# Altium PCB 键盘.PcbDoc (part 4 of 10) (continued)
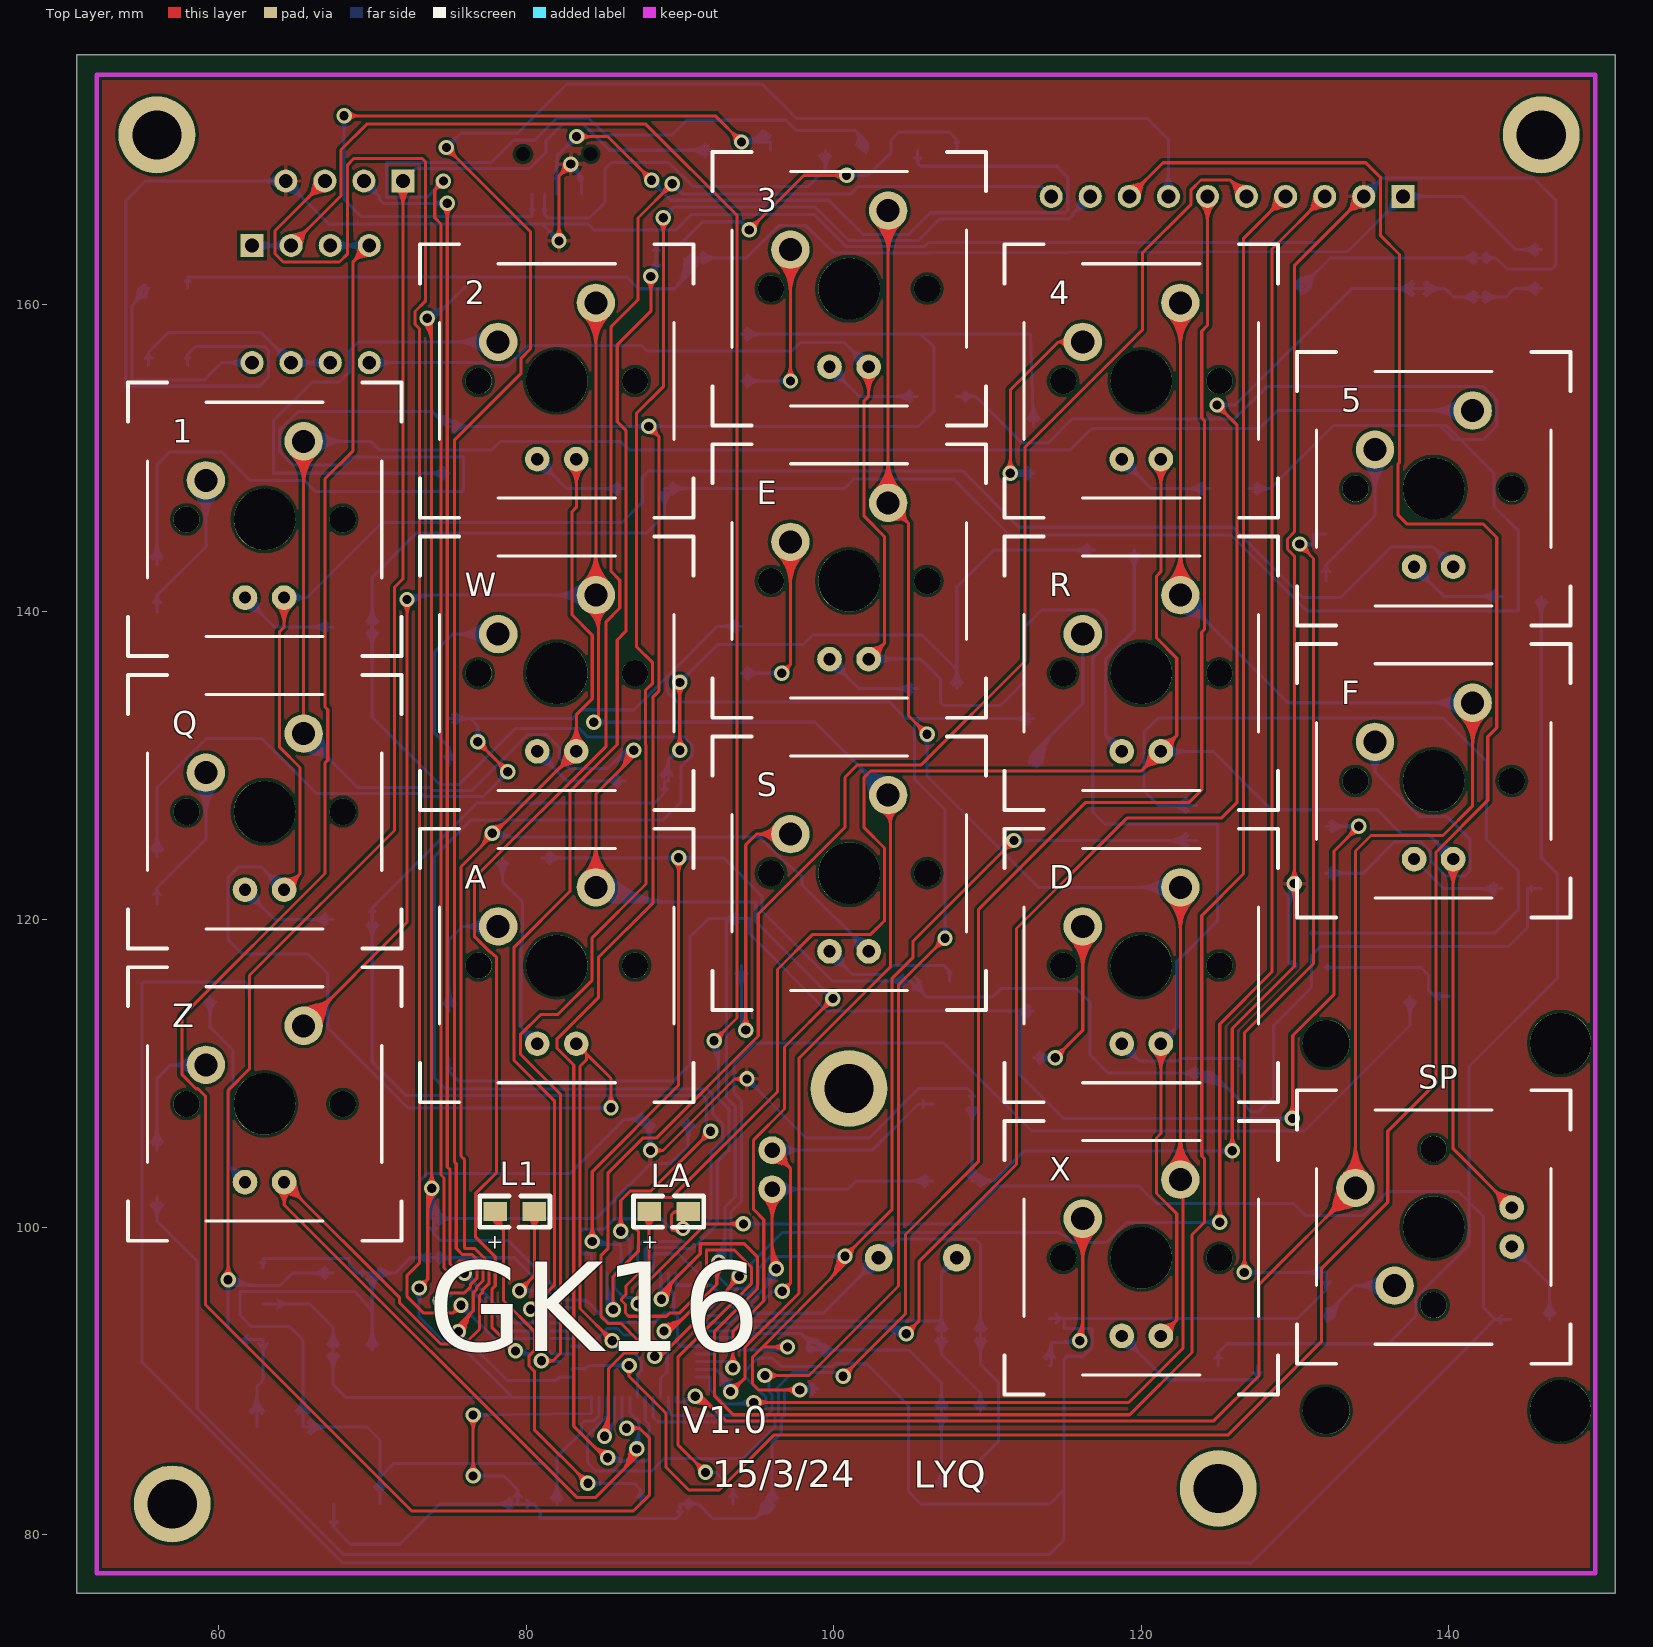
[diagram p0: Top Layer view]
## Nets (pads, with @x,y where several pads share a name; then routed paths per layer and width w, separated by ;. In a path a pad name is that pad's centre, name@x,y a point inside that pad or via, vN(x,y) a via of type N, cw(c..) or ccw(c..) an arc to the next point about the centre after c; other vN are vias at no path point) (continued)
NetR6_2: R6.2 W.A | length 43.9
  Bottom Layer w0.2: W.A@80.73,130.92 82.65,129 R6.2@86.46,129 ; W.A@80.436,130.86 ccw(c81.397,131.057) 81.143,130.109 ; W.A@80.436,130.86 ccw(c81.397,131.057) 81.143,130.109 ; W.A@80.436,130.86 ccw(c81.397,131.057) 81.143,130.109 ; W.A@80.632,130.9 ccw(c81.751,131.129) 81.456,130.026 ; W.A@80.632,130.9 ccw(c81.751,131.129) 81.456,130.026 ; W.A@80.632,130.9 ccw(c81.751,131.129) 81.456,130.026 ; W.A@80.73,130.22 cw(c80.73,128.53) 81.925,129.725 ; W.A@80.73,130.22 cw(c80.73,128.53) 81.925,129.725 ; W.A@80.73,130.22 cw(c80.73,128.53) 81.925,129.725 ; W.A@80.73,130.42 cw(c80.73,129.213) 81.584,130.066 ; W.A@80.73,130.42 cw(c80.73,129.213) 81.584,130.066 ; W.A@80.73,130.42 cw(c80.73,129.213) 81.584,130.066 ; W.A@80.75,131.018 cw(c80.521,129.899) 81.624,130.194 ; W.A@80.75,131.018 cw(c80.521,129.899) 81.624,130.194 ; W.A@80.75,131.018 cw(c80.521,129.899) 81.624,130.194 ; W.A@80.79,131.214 cw(c80.593,130.253) 81.541,130.507 ; W.A@80.79,131.214 cw(c80.593,130.253) 81.541,130.507 ; W.A@80.79,131.214 cw(c80.593,130.253) 81.541,130.507 ; W.A@81.23,130.92 ccw(c82.437,130.92) 81.584,130.066 ; W.A@81.23,130.92 ccw(c82.437,130.92) 81.584,130.066 ; W.A@81.23,130.92 ccw(c82.437,130.92) 81.584,130.066 ; W.A@81.43,130.92 ccw(c83.12,130.92) 81.925,129.725 ; W.A@81.43,130.92 ccw(c83.12,130.92) 81.925,129.725 ; W.A@81.43,130.92 ccw(c83.12,130.92) 81.925,129.725 ; 85.056,129 cw(c85.056,127.733) R6.2@85.952,128.629 ; 85.056,129 ccw(c85.056,130.267) R6.2@85.952,129.371 ; 85.056,129 cw(c85.056,127.733) R6.2@85.952,128.629 ; 85.056,129 ccw(c85.056,130.267) R6.2@85.952,129.371 ; 85.056,129 cw(c85.056,127.733) R6.2@85.952,128.629 ; 85.056,129 ccw(c85.056,130.267) R6.2@85.952,129.371 ; 85.538,129 cw(c85.538,128.215) R6.2@86.093,128.77 ; 85.538,129 ccw(c85.538,129.785) R6.2@86.093,129.23 ; 85.538,129 cw(c85.538,128.215) R6.2@86.093,128.77 ; 85.538,129 ccw(c85.538,129.785) R6.2@86.093,129.23 ; 85.538,129 cw(c85.538,128.215) R6.2@86.093,128.77 ; 85.538,129 ccw(c85.538,129.785) R6.2@86.093,129.23
NetR8_2: R8.2 R.A | length 42
  Bottom Layer w0.2: R.A@118.73,130.92 117.678,131.972 ; R8.2@119.54,144 119.54,138.793 117.678,136.931 117.678,131.972 ; 117.678,131.972 cw(c116.808,131.102) R.A@118.033,130.986 ; 117.678,131.972 ccw(c118.548,132.842) R.A@118.664,131.617 ; 117.678,131.972 cw(c116.808,131.102) R.A@118.033,130.986 ; 117.678,131.972 ccw(c118.548,132.842) R.A@118.664,131.617 ; 117.678,131.972 cw(c116.808,131.102) R.A@118.033,130.986 ; 117.678,131.972 ccw(c118.548,132.842) R.A@118.664,131.617 ; 117.938,131.551 ccw(c119.165,131.759) R.A@118.592,130.654 ; 117.938,131.551 ccw(c119.165,131.759) R.A@118.592,130.654 ; 117.938,131.551 ccw(c119.165,131.759) R.A@118.592,130.654 ; 117.979,131.671 cw(c117.357,131.05) R.A@118.232,130.967 ; 117.979,131.671 ccw(c118.6,132.293) R.A@118.683,131.418 ; 117.979,131.671 cw(c117.357,131.05) R.A@118.232,130.967 ; 117.979,131.671 ccw(c118.6,132.293) R.A@118.683,131.418 ; 117.979,131.671 cw(c117.357,131.05) R.A@118.232,130.967 ; 117.979,131.671 ccw(c118.6,132.293) R.A@118.683,131.418 ; 118.099,131.712 cw(c117.891,130.485) R.A@118.996,131.058 ; 118.099,131.712 cw(c117.891,130.485) R.A@118.996,131.058 ; 118.099,131.712 cw(c117.891,130.485) R.A@118.996,131.058 ; R8.2@119.169,143.629 cw(c118.273,142.733) 119.54,142.733 ; R8.2@119.169,143.629 cw(c118.273,142.733) 119.54,142.733 ; R8.2@119.169,143.629 cw(c118.273,142.733) 119.54,142.733 ; R8.2@119.31,143.77 cw(c118.755,143.215) 119.54,143.215 ; R8.2@119.31,143.77 cw(c118.755,143.215) 119.54,143.215 ; R8.2@119.31,143.77 cw(c118.755,143.215) 119.54,143.215 ; 119.54,142.733 cw(c120.807,142.733) R8.2@119.911,143.629 ; 119.54,142.733 cw(c120.807,142.733) R8.2@119.911,143.629 ; 119.54,142.733 cw(c120.807,142.733) R8.2@119.911,143.629 ; 119.54,143.215 cw(c120.325,143.215) R8.2@119.77,143.77 ; 119.54,143.215 cw(c120.325,143.215) R8.2@119.77,143.77 ; 119.54,143.215 cw(c120.325,143.215) R8.2@119.77,143.77
NetR10_2: R10.2 S.A | length 38.2
  Bottom Layer w0.2: S.A@99.73,117.92 101.23,116.42 103.237,116.42 103.809,116.991 107.185,116.991 107.54,116.637 ; R10.2@107.54,116 107.54,116.637 ; S.A@99.436,117.86 ccw(c100.397,118.057) 100.143,117.109 ; S.A@99.436,117.86 ccw(c100.397,118.057) 100.143,117.109 ; S.A@99.436,117.86 ccw(c100.397,118.057) 100.143,117.109 ; S.A@99.632,117.9 ccw(c100.751,118.129) 100.456,117.026 ; S.A@99.632,117.9 ccw(c100.751,118.129) 100.456,117.026 ; S.A@99.632,117.9 ccw(c100.751,118.129) 100.456,117.026 ; S.A@99.73,117.22 cw(c99.73,115.53) 100.925,116.725 ; S.A@99.73,117.22 cw(c99.73,115.53) 100.925,116.725 ; S.A@99.73,117.22 cw(c99.73,115.53) 100.925,116.725 ; S.A@99.73,117.42 cw(c99.73,116.213) 100.584,117.066 ; S.A@99.73,117.42 cw(c99.73,116.213) 100.584,117.066 ; S.A@99.73,117.42 cw(c99.73,116.213) 100.584,117.066 ; S.A@99.75,118.018 cw(c99.521,116.899) 100.624,117.194 ; S.A@99.75,118.018 cw(c99.521,116.899) 100.624,117.194 ; S.A@99.75,118.018 cw(c99.521,116.899) 100.624,117.194 ; S.A@99.79,118.214 cw(c99.593,117.253) 100.541,117.507 ; S.A@99.79,118.214 cw(c99.593,117.253) 100.541,117.507 ; S.A@99.79,118.214 cw(c99.593,117.253) 100.541,117.507 ; S.A@100.23,117.92 ccw(c101.437,117.92) 100.584,117.066 ; S.A@100.23,117.92 ccw(c101.437,117.92) 100.584,117.066 ; S.A@100.23,117.92 ccw(c101.437,117.92) 100.584,117.066 ; S.A@100.43,117.92 ccw(c102.12,117.92) 100.925,116.725 ; S.A@100.43,117.92 ccw(c102.12,117.92) 100.925,116.725 ; S.A@100.43,117.92 ccw(c102.12,117.92) 100.925,116.725 ; R10.2@107.44,116.515 ccw(c107.416,116.637) 107.54,116.637 ; R10.2@107.44,116.515 ccw(c107.416,116.637) 107.54,116.637 ; R10.2@107.44,116.515 ccw(c107.416,116.637) 107.54,116.637 ; 107.54,116.637 ccw(c107.664,116.637) R10.2@107.64,116.515 ; 107.54,116.637 ccw(c107.664,116.637) R10.2@107.64,116.515 ; 107.54,116.637 ccw(c107.664,116.637) R10.2@107.64,116.515
NetR14_2: R14.2 Z.A | length 40.9
  Bottom Layer w0.2: R14.2@59.46,115 59.46,112.979 60.96,111.479 60.96,109.295 60.681,109.015 60.681,103.969 ; Z.A@61.73,102.92 60.681,103.969 ; R14.2@59.089,114.629 cw(c58.193,113.733) 59.46,113.733 ; R14.2@59.089,114.629 cw(c58.193,113.733) 59.46,113.733 ; R14.2@59.089,114.629 cw(c58.193,113.733) 59.46,113.733 ; R14.2@59.23,114.77 cw(c58.675,114.215) 59.46,114.215 ; R14.2@59.23,114.77 cw(c58.675,114.215) 59.46,114.215 ; R14.2@59.23,114.77 cw(c58.675,114.215) 59.46,114.215 ; 59.46,113.733 cw(c60.727,113.733) R14.2@59.831,114.629 ; 59.46,113.733 cw(c60.727,113.733) R14.2@59.831,114.629 ; 59.46,113.733 cw(c60.727,113.733) R14.2@59.831,114.629 ; 59.46,114.215 cw(c60.245,114.215) R14.2@59.69,114.77 ; 59.46,114.215 cw(c60.245,114.215) R14.2@59.69,114.77 ; 59.46,114.215 cw(c60.245,114.215) R14.2@59.69,114.77 ; 60.681,103.969 cw(c59.816,103.104) Z.A@61.033,102.987 ; 60.681,103.969 ccw(c61.546,104.834) Z.A@61.663,103.617 ; 60.681,103.969 cw(c59.816,103.104) Z.A@61.033,102.987 ; 60.681,103.969 ccw(c61.546,104.834) Z.A@61.663,103.617 ; 60.681,103.969 cw(c59.816,103.104) Z.A@61.033,102.987 ; 60.681,103.969 ccw(c61.546,104.834) Z.A@61.663,103.617 ; 60.938,103.558 ccw(c62.176,103.765) Z.A@61.59,102.655 ; 60.938,103.558 ccw(c62.176,103.765) Z.A@61.59,102.655 ; 60.938,103.558 ccw(c62.176,103.765) Z.A@61.59,102.655 ; 60.98,103.67 cw(c60.363,103.052) Z.A@61.232,102.968 ; 60.98,103.67 ccw(c61.598,104.287) Z.A@61.682,103.418 ; 60.98,103.67 cw(c60.363,103.052) Z.A@61.232,102.968 ; 60.98,103.67 ccw(c61.598,104.287) Z.A@61.682,103.418 ; 60.98,103.67 cw(c60.363,103.052) Z.A@61.232,102.968 ; 60.98,103.67 ccw(c61.598,104.287) Z.A@61.682,103.418 ; 61.092,103.712 cw(c60.885,102.474) Z.A@61.995,103.06 ; 61.092,103.712 cw(c60.885,102.474) Z.A@61.995,103.06 ; 61.092,103.712 cw(c60.885,102.474) Z.A@61.995,103.06
NetR15_2: R15.2 X.A | length 42.2
  Bottom Layer w0.2: X.A@118.73,92.92 121.582,90.068 127.54,90.068 ; R15.2@127.54,91 127.54,90.068 ; X.A@118.436,92.86 ccw(c119.397,93.057) 119.143,92.109 ; X.A@118.436,92.86 ccw(c119.397,93.057) 119.143,92.109 ; X.A@118.436,92.86 ccw(c119.397,93.057) 119.143,92.109 ; X.A@118.632,92.9 ccw(c119.751,93.129) 119.456,92.026 ; X.A@118.632,92.9 ccw(c119.751,93.129) 119.456,92.026 ; X.A@118.632,92.9 ccw(c119.751,93.129) 119.456,92.026 ; X.A@118.73,92.22 cw(c118.73,90.53) 119.925,91.725 ; X.A@118.73,92.22 cw(c118.73,90.53) 119.925,91.725 ; X.A@118.73,92.22 cw(c118.73,90.53) 119.925,91.725 ; X.A@118.73,92.42 cw(c118.73,91.213) 119.584,92.066 ; X.A@118.73,92.42 cw(c118.73,91.213) 119.584,92.066 ; X.A@118.73,92.42 cw(c118.73,91.213) 119.584,92.066 ; X.A@118.75,93.018 cw(c118.521,91.899) 119.624,92.194 ; X.A@118.75,93.018 cw(c118.521,91.899) 119.624,92.194 ; X.A@118.75,93.018 cw(c118.521,91.899) 119.624,92.194 ; X.A@118.79,93.214 cw(c118.593,92.253) 119.541,92.507 ; X.A@118.79,93.214 cw(c118.593,92.253) 119.541,92.507 ; X.A@118.79,93.214 cw(c118.593,92.253) 119.541,92.507 ; X.A@119.23,92.92 ccw(c120.437,92.92) 119.584,92.066 ; X.A@119.23,92.92 ccw(c120.437,92.92) 119.584,92.066 ; X.A@119.23,92.92 ccw(c120.437,92.92) 119.584,92.066 ; X.A@119.43,92.92 ccw(c121.12,92.92) 119.925,91.725 ; X.A@119.43,92.92 ccw(c121.12,92.92) 119.925,91.725 ; X.A@119.43,92.92 ccw(c121.12,92.92) 119.925,91.725 ; R15.2@127.268,90.551 cw(c126.976,90.068) 127.54,90.068 ; R15.2@127.268,90.551 cw(c126.976,90.068) 127.54,90.068 ; R15.2@127.268,90.551 cw(c126.976,90.068) 127.54,90.068 ; 127.54,90.068 cw(c128.104,90.068) R15.2@127.812,90.551 ; 127.54,90.068 cw(c128.104,90.068) R15.2@127.812,90.551 ; 127.54,90.068 cw(c128.104,90.068) R15.2@127.812,90.551
NetR16_2: R16.2 SP.A | length 43.2
  Bottom Layer w0.2: SP.A@144.08,98.73 146.54,96.27 R16.2@146.54,94 ; SP.A@143.786,98.67 ccw(c144.747,98.867) 144.493,97.919 ; SP.A@143.786,98.67 ccw(c144.747,98.867) 144.493,97.919 ; SP.A@143.786,98.67 ccw(c144.747,98.867) 144.493,97.919 ; SP.A@143.982,98.71 ccw(c145.101,98.939) 144.806,97.836 ; SP.A@143.982,98.71 ccw(c145.101,98.939) 144.806,97.836 ; SP.A@143.982,98.71 ccw(c145.101,98.939) 144.806,97.836 ; SP.A@144.08,98.03 cw(c144.08,96.34) 145.275,97.535 ; SP.A@144.08,98.03 cw(c144.08,96.34) 145.275,97.535 ; SP.A@144.08,98.03 cw(c144.08,96.34) 145.275,97.535 ; SP.A@144.08,98.23 cw(c144.08,97.023) 144.934,97.876 ; SP.A@144.08,98.23 cw(c144.08,97.023) 144.934,97.876 ; SP.A@144.08,98.23 cw(c144.08,97.023) 144.934,97.876 ; SP.A@144.1,98.828 cw(c143.871,97.709) 144.974,98.004 ; SP.A@144.1,98.828 cw(c143.871,97.709) 144.974,98.004 ; SP.A@144.1,98.828 cw(c143.871,97.709) 144.974,98.004 ; SP.A@144.14,99.024 cw(c143.943,98.063) 144.891,98.317 ; SP.A@144.14,99.024 cw(c143.943,98.063) 144.891,98.317 ; SP.A@144.14,99.024 cw(c143.943,98.063) 144.891,98.317 ; SP.A@144.58,98.73 ccw(c145.787,98.73) 144.934,97.876 ; SP.A@144.58,98.73 ccw(c145.787,98.73) 144.934,97.876 ; SP.A@144.58,98.73 ccw(c145.787,98.73) 144.934,97.876 ; SP.A@144.78,98.73 ccw(c146.47,98.73) 145.275,97.535 ; SP.A@144.78,98.73 ccw(c146.47,98.73) 145.275,97.535 ; SP.A@144.78,98.73 ccw(c146.47,98.73) 145.275,97.535 ; R16.2@146.169,94.371 ccw(c145.273,95.267) 146.54,95.267 ; R16.2@146.169,94.371 ccw(c145.273,95.267) 146.54,95.267 ; R16.2@146.169,94.371 ccw(c145.273,95.267) 146.54,95.267 ; R16.2@146.31,94.23 ccw(c145.755,94.785) 146.54,94.785 ; R16.2@146.31,94.23 ccw(c145.755,94.785) 146.54,94.785 ; R16.2@146.31,94.23 ccw(c145.755,94.785) 146.54,94.785 ; 146.54,94.785 ccw(c147.325,94.785) R16.2@146.77,94.23 ; 146.54,94.785 ccw(c147.325,94.785) R16.2@146.77,94.23 ; 146.54,94.785 ccw(c147.325,94.785) R16.2@146.77,94.23 ; 146.54,95.267 ccw(c147.807,95.267) R16.2@146.911,94.371 ; 146.54,95.267 ccw(c147.807,95.267) R16.2@146.911,94.371 ; 146.54,95.267 ccw(c147.807,95.267) R16.2@146.911,94.371
NetR21_2: R21.2 S2.8 | length 43.6
  Bottom Layer w0.2: R21.2@55.46,161 55.46,160.96 54.381,159.881 ; S2.8@62.19,156.19 60.203,156.19 59.08,155.067 54.381,155.067 54.381,159.881 ; 54.381,159.881 ccw(c53.369,160.894) R21.2@54.799,160.972 ; 54.381,159.881 ccw(c53.369,160.894) R21.2@54.799,160.972 ; 54.381,159.881 ccw(c53.369,160.894) R21.2@54.799,160.972 ; 54.652,160.274 cw(c55.753,160.042) R21.2@55.292,161.068 ; 54.652,160.274 cw(c55.753,160.042) R21.2@55.292,161.068 ; 54.652,160.274 cw(c55.753,160.042) R21.2@55.292,161.068 ; 54.698,160.198 ccw(c53.97,160.926) R21.2@54.998,160.982 ; 54.698,160.198 ccw(c53.97,160.926) R21.2@54.998,160.982 ; 54.698,160.198 ccw(c53.97,160.926) R21.2@54.998,160.982 ; 54.729,160.229 cw(c55.323,159.635) R21.2@55.323,160.475 ; 54.729,160.229 cw(c55.323,159.635) R21.2@55.323,160.475 ; 54.729,160.229 cw(c55.323,159.635) R21.2@55.323,160.475 ; R21.2@54.733,160.658 cw(c55.554,160.485) R21.2@55.21,161.251 ; R21.2@54.733,160.658 cw(c55.554,160.485) R21.2@55.21,161.251 ; R21.2@54.733,160.658 cw(c55.554,160.485) R21.2@55.21,161.251 ; 54.868,160.353 ccw(c54.683,161.046) R21.2@55.398,160.995 ; 54.868,160.353 ccw(c54.683,161.046) R21.2@55.398,160.995 ; 54.868,160.353 ccw(c54.683,161.046) R21.2@55.398,160.995 ; 60.621,156.19 cw(c60.621,154.621) S2.8@61.73,155.73 ; 60.621,156.19 ccw(c60.621,157.759) S2.8@61.73,156.65 ; 60.621,156.19 cw(c60.621,154.621) S2.8@61.73,155.73 ; 60.621,156.19 ccw(c60.621,157.759) S2.8@61.73,156.65 ; 60.621,156.19 cw(c60.621,154.621) S2.8@61.73,155.73 ; 60.621,156.19 ccw(c60.621,157.759) S2.8@61.73,156.65 ; 61.104,156.19 cw(c61.104,155.104) S2.8@61.872,155.872 ; 61.104,156.19 ccw(c61.104,157.276) S2.8@61.872,156.508 ; 61.104,156.19 cw(c61.104,155.104) S2.8@61.872,155.872 ; 61.104,156.19 ccw(c61.104,157.276) S2.8@61.872,156.508 ; 61.104,156.19 cw(c61.104,155.104) S2.8@61.872,155.872 ; 61.104,156.19 ccw(c61.104,157.276) S2.8@61.872,156.508
NetR22_2: R22.2 S2.6 S2.7 | length 67
  Bottom Layer w0.2: R22.2@55.46,156 55.46,156.87 ; S2.6@67.27,156.19 S2.7@64.73,156.19 62.78,158.14 56.73,158.14 55.46,156.87 ; R22.2@55.215,156.464 ccw(c55.001,156.87) 55.46,156.87 ; R22.2@55.215,156.464 ccw(c55.001,156.87) 55.46,156.87 ; R22.2@55.215,156.464 ccw(c55.001,156.87) 55.46,156.87 ; 55.46,156.87 ccw(c55.919,156.87) R22.2@55.705,156.464 ; 55.46,156.87 ccw(c55.919,156.87) R22.2@55.705,156.464 ; 55.46,156.87 ccw(c55.919,156.87) R22.2@55.705,156.464 ; 63.62,157.3 cw(c62.511,156.19) S2.7@64.08,156.19 ; 63.62,157.3 ccw(c64.73,158.409) S2.7@64.73,156.84 ; 63.62,157.3 cw(c62.511,156.19) S2.7@64.08,156.19 ; 63.62,157.3 ccw(c64.73,158.409) S2.7@64.73,156.84 ; 63.62,157.3 cw(c62.511,156.19) S2.7@64.08,156.19 ; 63.62,157.3 ccw(c64.73,158.409) S2.7@64.73,156.84 ; 63.923,156.774 ccw(c64.903,157.037) S2.7@64.7,156.043 ; 63.923,156.774 ccw(c64.903,157.037) S2.7@64.7,156.043 ; 63.923,156.774 ccw(c64.903,157.037) S2.7@64.7,156.043 ; 63.962,156.958 cw(c63.194,156.19) S2.7@64.28,156.19 ; 63.962,156.958 ccw(c64.73,157.726) S2.7@64.73,156.64 ; 63.962,156.958 cw(c63.194,156.19) S2.7@64.28,156.19 ; 63.962,156.958 ccw(c64.73,157.726) S2.7@64.73,156.64 ; 63.962,156.958 cw(c63.194,156.19) S2.7@64.28,156.19 ; 63.962,156.958 ccw(c64.73,157.726) S2.7@64.73,156.64 ; 64.007,156.462 ccw(c64.831,156.683) S2.7@64.66,155.847 ; 64.007,156.462 ccw(c64.831,156.683) S2.7@64.66,155.847 ; 64.007,156.462 ccw(c64.831,156.683) S2.7@64.66,155.847 ; 64.146,156.997 cw(c63.883,156.017) S2.7@64.877,156.22 ; 64.146,156.997 cw(c63.883,156.017) S2.7@64.877,156.22 ; 64.146,156.997 cw(c63.883,156.017) S2.7@64.877,156.22 ; 64.458,156.913 cw(c64.237,156.089) S2.7@65.073,156.26 ; 64.458,156.913 cw(c64.237,156.089) S2.7@65.073,156.26 ; 64.458,156.913 cw(c64.237,156.089) S2.7@65.073,156.26 ; S2.7@65.048,155.872 cw(c65.816,155.104) 65.816,156.19 ; S2.7@65.048,155.872 cw(c65.816,155.104) 65.816,156.19 ; S2.7@65.048,155.872 cw(c65.816,155.104) 65.816,156.19 ; S2.7@65.048,156.508 ccw(c65.816,157.276) 65.816,156.19 ; S2.7@65.048,156.508 ccw(c65.816,157.276) 65.816,156.19 ; S2.7@65.048,156.508 ccw(c65.816,157.276) 65.816,156.19 ; S2.7@65.19,155.73 cw(c66.299,154.621) 66.299,156.19 ; S2.7@65.19,155.73 cw(c66.299,154.621) 66.299,156.19 ; S2.7@65.19,155.73 cw(c66.299,154.621) 66.299,156.19 ; S2.7@65.19,156.65 ccw(c66.299,157.759) 66.299,156.19 ; S2.7@65.19,156.65 ccw(c66.299,157.759) 66.299,156.19 ; S2.7@65.19,156.65 ccw(c66.299,157.759) 66.299,156.19 ; 65.701,156.19 cw(c65.701,154.621) S2.6@66.81,155.73 ; 65.701,156.19 ccw(c65.701,157.759) S2.6@66.81,156.65 ; 65.701,156.19 cw(c65.701,154.621) S2.6@66.81,155.73 ; 65.701,156.19 ccw(c65.701,157.759) S2.6@66.81,156.65 ; 65.701,156.19 cw(c65.701,154.621) S2.6@66.81,155.73 ; 65.701,156.19 ccw(c65.701,157.759) S2.6@66.81,156.65 ; 66.184,156.19 cw(c66.184,155.104) S2.6@66.952,155.872 ; 66.184,156.19 ccw(c66.184,157.276) S2.6@66.952,156.508 ; 66.184,156.19 cw(c66.184,155.104) S2.6@66.952,155.872 ; 66.184,156.19 ccw(c66.184,157.276) S2.6@66.952,156.508 ; 66.184,156.19 cw(c66.184,155.104) S2.6@66.952,155.872 ; 66.184,156.19 ccw(c66.184,157.276) S2.6@66.952,156.508
NRST: C5.2 R18.1 S1.1 U1.7 | length 219.4
  Top Layer w0.2: v1(104.721,93.062) cw(c105.406,92.922) 105.225,93.597 ; v1(104.721,93.062) ccw(c104.58,93.747) 105.256,93.566 ; v1(104.721,93.062) cw(c105.406,92.922) 105.225,93.597 ; v1(104.721,93.062) ccw(c104.58,93.747) 105.256,93.566 ; v1(104.721,93.062) cw(c105.406,92.922) 105.225,93.597 ; v1(104.721,93.062) ccw(c104.58,93.747) 105.256,93.566 ; v1(104.721,93.062) 105.537,93.878 105.537,97.739 111.887,104.089 111.887,119.405 119.059,126.578 125.198,126.578 126.23,127.61 126.23,152.129 v1(124.917,153.441) ; v1@104.721,93.462 ccw(c104.721,94.428) 105.403,93.745 ; v1@104.721,93.462 ccw(c104.721,94.428) 105.403,93.745 ; v1@104.721,93.462 ccw(c104.721,94.428) 105.403,93.745 ; v1@105.121,93.062 cw(c106.086,93.062) 105.403,93.745 ; v1@105.121,93.062 cw(c106.086,93.062) 105.403,93.745 ; v1@105.121,93.062 cw(c106.086,93.062) 105.403,93.745 ; v1@124.917,153.041 cw(c124.917,152.076) 125.6,152.759 ; v1@124.917,153.041 cw(c124.917,152.076) 125.6,152.759 ; v1@124.917,153.041 cw(c124.917,152.076) 125.6,152.759 ; v1(124.917,153.441) cw(c124.777,152.757) 125.452,152.937 ; v1(124.917,153.441) ccw(c125.602,153.582) 125.421,152.906 ; v1(124.917,153.441) cw(c124.777,152.757) 125.452,152.937 ; v1(124.917,153.441) ccw(c125.602,153.582) 125.421,152.906 ; v1(124.917,153.441) cw(c124.777,152.757) 125.452,152.937 ; v1(124.917,153.441) ccw(c125.602,153.582) 125.421,152.906 ; v1@125.317,153.441 ccw(c126.283,153.441) 125.6,152.759 ; v1@125.317,153.441 ccw(c126.283,153.441) 125.6,152.759 ; v1@125.317,153.441 ccw(c126.283,153.441) 125.6,152.759
  Bottom Layer w0.2: U1.7@91.05,92.75 91.1,92.8 93.981,92.8 94.666,93.485 104.298,93.485 v1(104.721,93.062) ; v1(124.917,153.441) 126.111,153.441 133.67,161 S1.1@138.048,161 139.751,161 140.291,160.46 C5.2@142,160.46 143.713,160.46 144.253,161 R18.1@146,161 ; U1.7@91.835,92.715 cw(c92.041,92.509) 92.041,92.8 ; U1.7@91.835,92.715 cw(c92.041,92.509) 92.041,92.8 ; U1.7@91.835,92.715 cw(c92.041,92.509) 92.041,92.8 ; 102.735,93.485 cw(c102.735,91.076) v1@104.438,92.779 ; 102.735,93.485 cw(c102.735,91.076) v1@104.438,92.779 ; 102.735,93.485 cw(c102.735,91.076) v1@104.438,92.779 ; 103.218,93.485 cw(c103.218,91.559) v1@104.579,92.921 ; 103.218,93.485 cw(c103.218,91.559) v1@104.579,92.921 ; 103.218,93.485 cw(c103.218,91.559) v1@104.579,92.921 ; 103.701,93.485 cw(c103.701,92.042) v1(104.721,93.062) ; 103.701,93.485 cw(c103.701,92.042) v1(104.721,93.062) ; 103.701,93.485 cw(c103.701,92.042) v1(104.721,93.062) ; 103.813,93.363 ccw(c104.131,93.914) v1@104.493,93.391 ; 103.813,93.363 ccw(c104.131,93.914) v1@104.493,93.391 ; 103.813,93.363 ccw(c104.131,93.914) v1@104.493,93.391 ; 103.829,93.195 ccw(c104.061,93.534) v1@104.395,93.295 ; 103.829,93.195 ccw(c104.061,93.534) v1@104.395,93.295 ; 103.829,93.195 ccw(c104.061,93.534) v1@104.395,93.295 ; 103.998,93.08 ccw(c104.228,93.415) v1@104.558,93.179 ; 103.998,93.08 ccw(c104.228,93.415) v1@104.558,93.179 ; 103.998,93.08 ccw(c104.228,93.415) v1@104.558,93.179 ; 104.074,93.435 cw(c103.825,93.005) v1@104.321,93.037 ; 104.074,93.435 ccw(c104.322,93.866) v1@104.543,93.42 ; 104.074,93.435 cw(c103.825,93.005) v1@104.321,93.037 ; 104.074,93.435 ccw(c104.322,93.866) v1@104.543,93.42 ; 104.074,93.435 cw(c103.825,93.005) v1@104.321,93.037 ; 104.074,93.435 ccw(c104.322,93.866) v1@104.543,93.42 ; 104.086,93.205 ccw(c104.33,93.627) v1@104.607,93.227 ; 104.086,93.205 ccw(c104.33,93.627) v1@104.607,93.227 ; 104.086,93.205 ccw(c104.33,93.627) v1@104.607,93.227 ; 104.167,92.964 ccw(c104.394,93.296) v1(104.721,93.062) ; 104.167,92.964 ccw(c104.394,93.296) v1(104.721,93.062) ; 104.167,92.964 ccw(c104.394,93.296) v1(104.721,93.062) ; 104.183,93.485 cw(c104.183,92.525) v1@104.862,93.203 ; 104.183,93.485 cw(c104.183,92.525) v1@104.862,93.203 ; 104.183,93.485 cw(c104.183,92.525) v1@104.862,93.203 ; 104.192,93.144 cw(c104.039,92.879) v1@104.334,92.959 ; 104.192,93.144 cw(c104.039,92.879) v1@104.334,92.959 ; 104.192,93.144 cw(c104.039,92.879) v1@104.334,92.959 ; v1@125.2,153.159 cw(c125.883,152.476) 125.883,153.441 ; v1@125.2,153.159 cw(c125.883,152.476) 125.883,153.441 ; v1@125.2,153.159 cw(c125.883,152.476) 125.883,153.441 ; v1@125.2,153.724 ccw(c125.883,154.407) 125.883,153.441 ; v1@125.2,153.724 ccw(c125.883,154.407) 125.883,153.441 ; v1@125.2,153.724 ccw(c125.883,154.407) 125.883,153.441 ; 136.45,161 cw(c136.45,159.402) S1.1@137.58,160.532 ; 136.45,161 ccw(c136.45,162.598) S1.1@137.58,161.468 ; 136.45,161 cw(c136.45,159.402) S1.1@137.58,160.532 ; 136.45,161 ccw(c136.45,162.598) S1.1@137.58,161.468 ; 136.45,161 cw(c136.45,159.402) S1.1@137.58,160.532 ; 136.45,161 ccw(c136.45,162.598) S1.1@137.58,161.468 ; 136.933,161 cw(c136.933,159.885) S1.1@137.721,160.673 ; 136.933,161 ccw(c136.933,162.115) S1.1@137.721,161.327 ; 136.933,161 cw(c136.933,159.885) S1.1@137.721,160.673 ; 136.933,161 ccw(c136.933,162.115) S1.1@137.721,161.327 ; 136.933,161 cw(c136.933,159.885) S1.1@137.721,160.673 ; 136.933,161 ccw(c136.933,162.115) S1.1@137.721,161.327 ; S1.1@138.375,160.673 cw(c139.163,159.885) 139.163,161 ; S1.1@138.375,160.673 cw(c139.163,159.885) 139.163,161 ; S1.1@138.375,160.673 cw(c139.163,159.885) 139.163,161 ; S1.1@138.375,161.327 ccw(c139.163,162.115) 139.163,161 ; S1.1@138.375,161.327 ccw(c139.163,162.115) 139.163,161 ; S1.1@138.375,161.327 ccw(c139.163,162.115) 139.163,161 ; S1.1@138.516,160.532 cw(c139.646,159.402) 139.646,161 ; S1.1@138.516,160.532 cw(c139.646,159.402) 139.646,161 ; S1.1@138.516,160.532 cw(c139.646,159.402) 139.646,161 ; S1.1@138.516,161.468 ccw(c139.646,162.598) 139.646,161 ; S1.1@138.516,161.468 ccw(c139.646,162.598) 139.646,161 ; S1.1@138.516,161.468 ccw(c139.646,162.598) 139.646,161 ; 140.733,160.46 cw(c140.733,159.193) C5.2@141.629,160.089 ; 140.733,160.46 ccw(c140.733,161.727) C5.2@141.629,160.831 ; 140.733,160.46 cw(c140.733,159.193) C5.2@141.629,160.089 ; 140.733,160.46 ccw(c140.733,161.727) C5.2@141.629,160.831 ; 140.733,160.46 cw(c140.733,159.193) C5.2@141.629,160.089 ; 140.733,160.46 ccw(c140.733,161.727) C5.2@141.629,160.831 ; 141.215,160.46 cw(c141.215,159.675) C5.2@141.77,160.23 ; 141.215,160.46 ccw(c141.215,161.245) C5.2@141.77,160.69 ; 141.215,160.46 cw(c141.215,159.675) C5.2@141.77,160.23 ; 141.215,160.46 ccw(c141.215,161.245) C5.2@141.77,160.69 ; 141.215,160.46 cw(c141.215,159.675) C5.2@141.77,160.23 ; 141.215,160.46 ccw(c141.215,161.245) C5.2@141.77,160.69 ; C5.2@142.23,160.23 cw(c142.785,159.675) 142.785,160.46 ; C5.2@142.23,160.23 cw(c142.785,159.675) 142.785,160.46 ; C5.2@142.23,160.23 cw(c142.785,159.675) 142.785,160.46 ; C5.2@142.23,160.69 ccw(c142.785,161.245) 142.785,160.46 ; C5.2@142.23,160.69 ccw(c142.785,161.245) 142.785,160.46 ; C5.2@142.23,160.69 ccw(c142.785,161.245) 142.785,160.46 ; C5.2@142.371,160.089 cw(c143.267,159.193) 143.267,160.46 ; C5.2@142.371,160.089 cw(c143.267,159.193) 143.267,160.46 ; C5.2@142.371,160.089 cw(c143.267,159.193) 143.267,160.46 ; C5.2@142.371,160.831 ccw(c143.267,161.727) 143.267,160.46 ; C5.2@142.371,160.831 ccw(c143.267,161.727) 143.267,160.46 ; C5.2@142.371,160.831 ccw(c143.267,161.727) 143.267,160.46 ; 144.733,161 cw(c144.733,159.733) R18.1@145.629,160.629 ; 144.733,161 ccw(c144.733,162.267) R18.1@145.629,161.371 ; 144.733,161 cw(c144.733,159.733) R18.1@145.629,160.629 ; 144.733,161 ccw(c144.733,162.267) R18.1@145.629,161.371 ; 144.733,161 cw(c144.733,159.733) R18.1@145.629,160.629 ; 144.733,161 ccw(c144.733,162.267) R18.1@145.629,161.371 ; 145.215,161 cw(c145.215,160.215) R18.1@145.77,160.77 ; 145.215,161 ccw(c145.215,161.785) R18.1@145.77,161.23 ; 145.215,161 cw(c145.215,160.215) R18.1@145.77,160.77 ; 145.215,161 ccw(c145.215,161.785) R18.1@145.77,161.23 ; 145.215,161 cw(c145.215,160.215) R18.1@145.77,160.77 ; 145.215,161 ccw(c145.215,161.785) R18.1@145.77,161.23